# Altium PCB Weight_Dropper_Torpedo_1_0.PcbDoc
Units mm, origin at the board's own origin, x right, y up, seen from the top; angles counter-clockwise.
Board outline 51.4 x 37.8 mm, 2 copper layers (Top Layer, Bottom Layer); 26 components, 27 nets, 109 pads, 3 vias.
Unrouted connection lines stored in the file: 24.
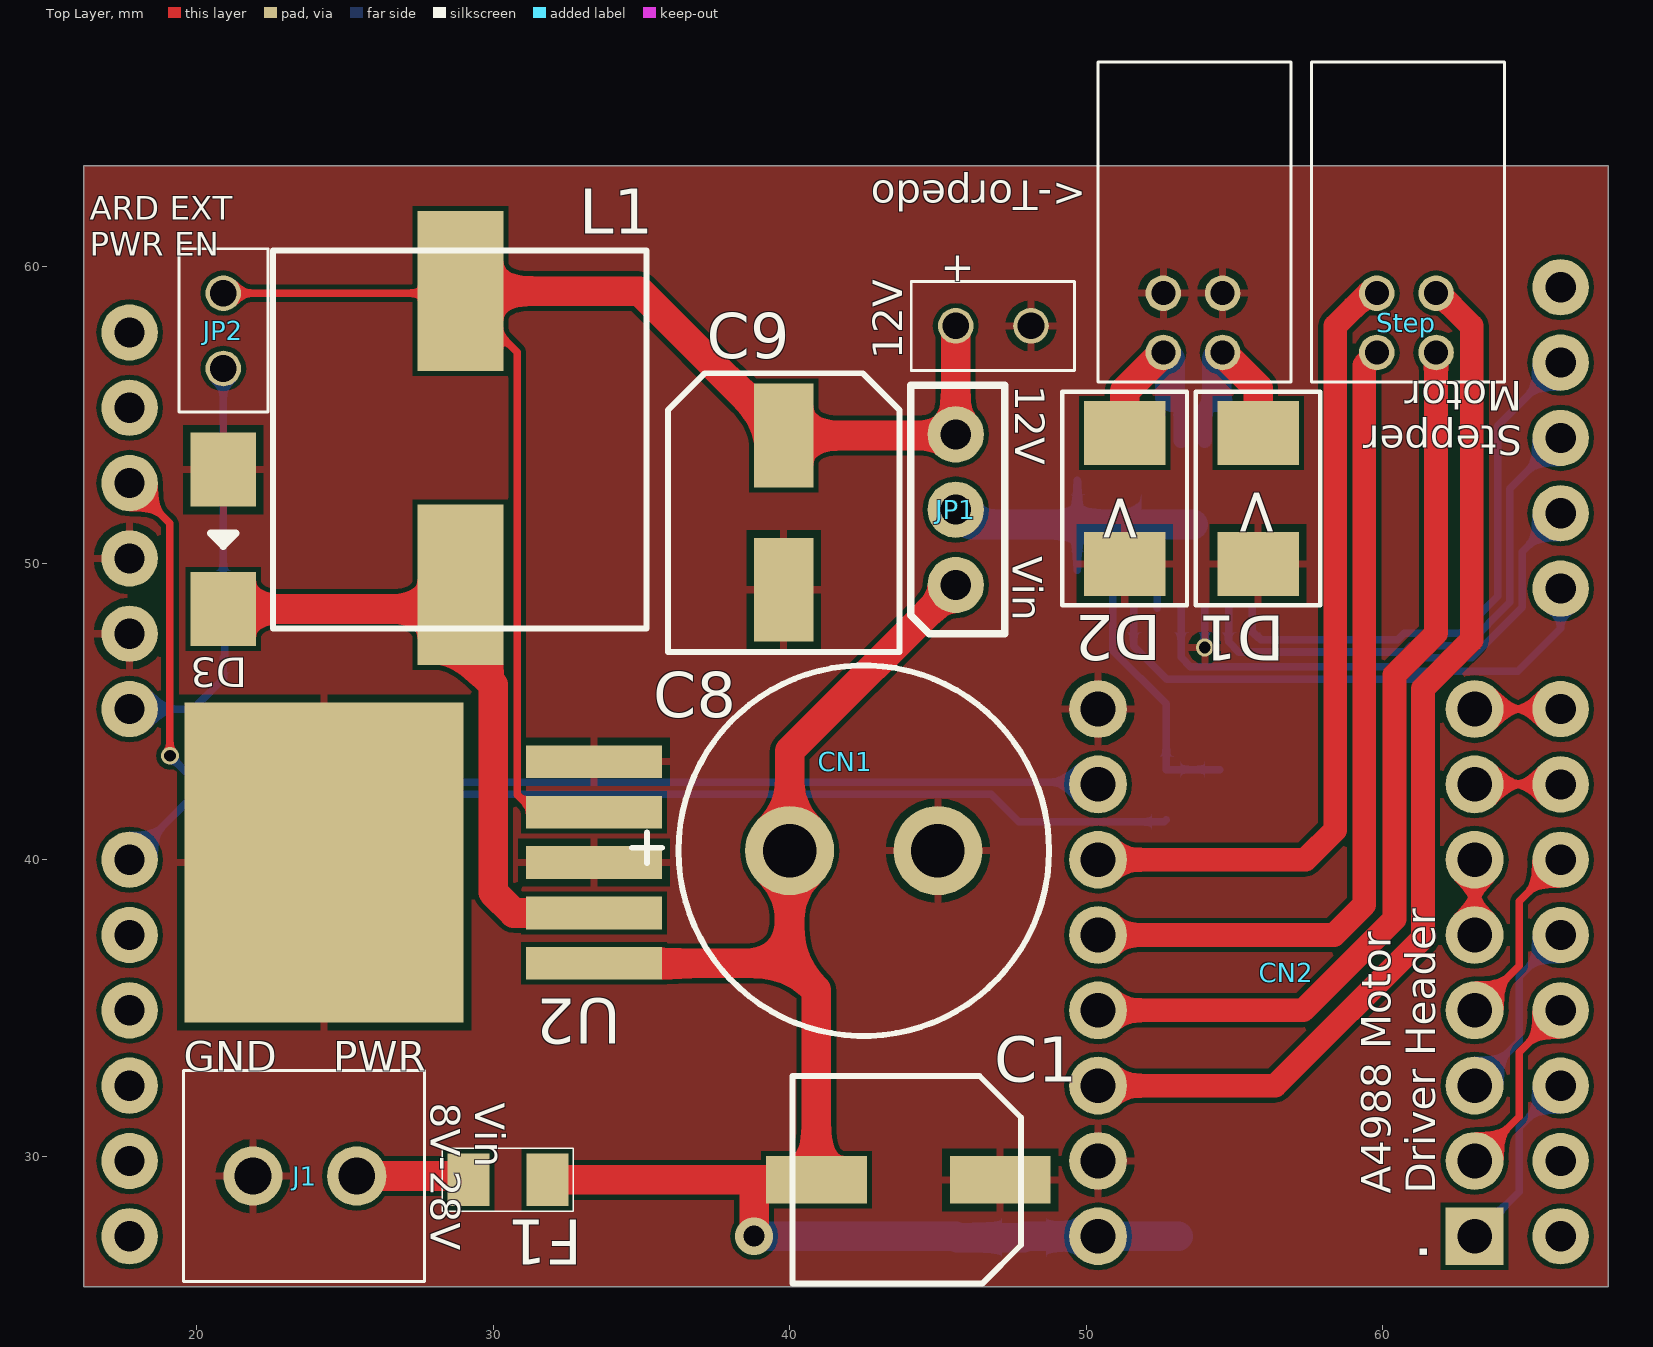
[diagram p0: Top Layer view]
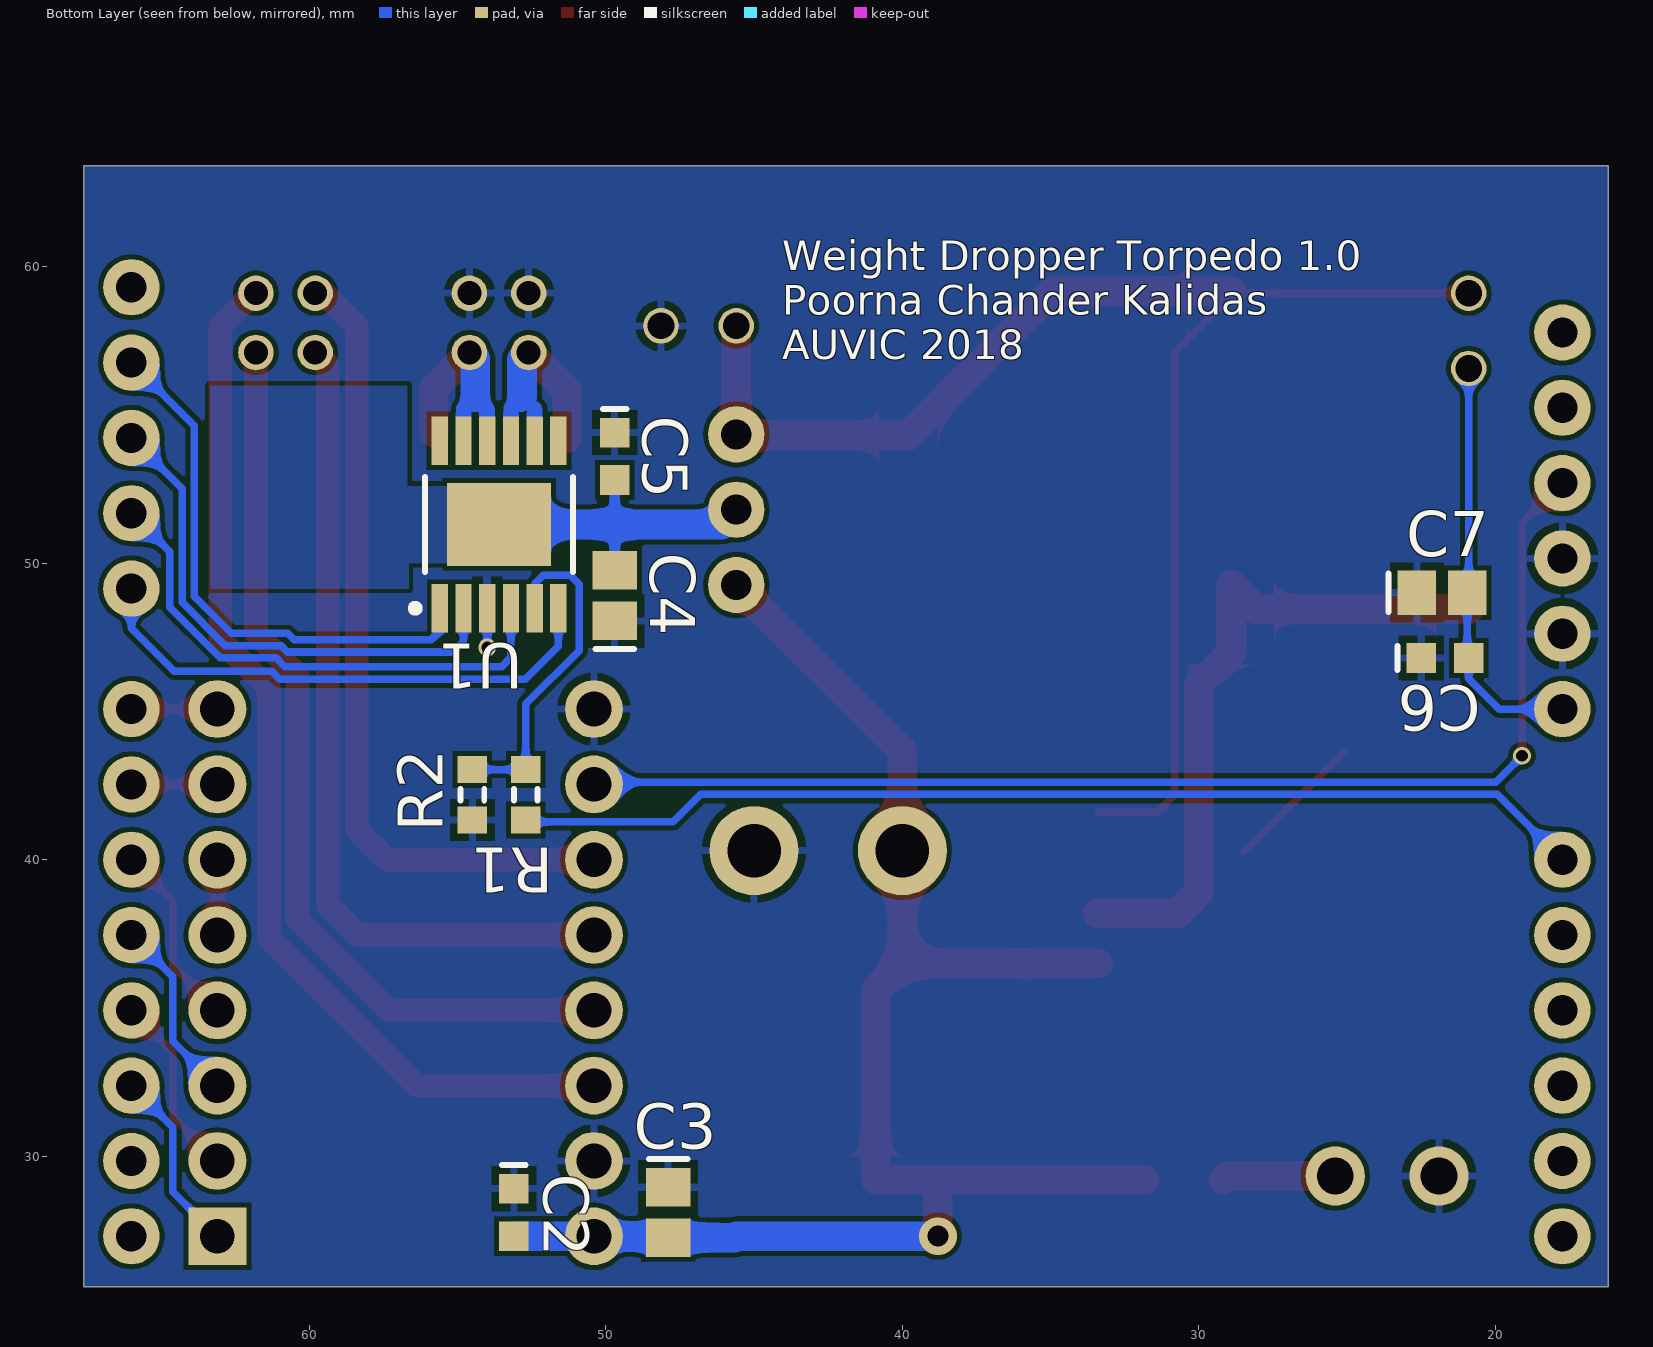
[diagram p1: Bottom Layer view, seen from below]

## Layer stack, top to bottom
Top Solder: solder mask 0.0102, Solder Resist, Dk 3.5
Top Layer: signal copper 0.0356
Dielectric 1: dielectric 0.32, FR-4, Dk 4.8
Bottom Layer: signal copper 0.0356
Bottom Solder: solder mask 0.0102, Solder Resist, Dk 3.5

## Board outline
16.2,25.6 67.6,25.6 67.6,63.4 16.2,63.4

## Design rules (kind name [scope] priority, off if disabled: settings)
Clearance [All] p1: gap=0.16 ignorepadtopadclearanceinfootprint=FALSE
HoleSize "Signal Via" [All] p1: absolutevalues=TRUE maxlimit=2.54 minlimit=0.3 maxpercent=80.000 minpercent=20.000
HoleSize "Power Via" [All] p2: absolutevalues=TRUE maxlimit=1.3 minlimit=1.2 maxpercent=80.000 minpercent=20.000
PolygonConnect PolygonConnect_1 [All vs IsNamedPolygon('HSD-Heat_Spreader')] p1: connectstyle=Direct reliefconductorwidth=0.254 reliefentries=4 polygonreliefangle="90 Angle" airgapwidth=0.254
PolygonConnect [All] p2: connectstyle=Relief reliefconductorwidth=0.254 reliefentries=4 polygonreliefangle="90 Angle" airgapwidth=0.254
RoutingVias [All] p1: holewidth=0.711 width=1.27 viastyle="Through Hole" minholewidth=0.3 minwidth=0.4 maxholewidth=0.711 maxwidth=1.27
SolderMaskExpansion [All] p1: expansion=0.102
Width Power [InNet('No Net')] p1: maxlimit=1.5 minlimit=1 preferedwidth=1
Width Signal [InNet('No Net')] p2: maxlimit=0.254 minlimit=0.254 preferedwidth=0.254
29 further rules are at their usual default settings.

## Classes and differential pairs
component class Master: 12V <-Torpedo C1 C2 C3 C4 C5 C6 C8 C9 CN1 CN2 D1 D2 D3 F1 J1 JP1 L1 R1 R2 Step U1 U2

## Components (designator, comment, footprint, x,y, rotation, side; value= is the part's Value field where it differs from the comment)
12V "1X2 Pin Head" "2X1 Males Header" 45.6,58 r0 top (schematic designator JP3)
<-Torpedo "2x2 Shrouded RT Ang" "HEADER, MALE, Shrouded, 4POS, 2MM, RT ANG,THT" 54.6,59.1 r0 top (schematic designator CN4)
C1 "100µF" Radial_CAN_6.6mm 44,29.2 r0 top
C2 "0.1uF, 50V, 10%, X7R, 0603" "CAPC1608N(0603\")" 53.1,28.1 r270 bottom
C3 "1μF" "CAPC2012N(0805\")" 47.9,28.1 r270 bottom value=1µF
C4 "1μF" "CAPC2012N(0805\")" 49.7,48.9 r90 bottom value=1µF
C5 "0.1uF, 50V, 10%, X7R, 0603" "CAPC1608N(0603\")" 49.7,53.6 r270 bottom
C6 "0.1uF, 50V, 10%, X7R, 0603" "CAPC1608N(0603\")" 21.7,46.8 r180 bottom
C7 "1μF" "CAPC2012N(0805\")" 21.8,49 r180 bottom value=1µF
C8 "470µF" "12.5mm Dia Radial THD" 40,40.3 r0 top
C9 "150µF" "6.3mm Dia Radial SMD" 39.8,51.7 r90 top
CN1 "Header to plug into Arduino Board" "Arduino Shield Reduced Pin" 17.74,62.856 r0 top locked
CN2 "Connector for A4988 Stepper Motor Driver" "A4988 Stepper Motor Driver Header" 63.1,27.296 r180 top locked
D1 "JD 2A 600V" DO-214AA 55.8,52.18 r90 top
D2 "JD 2A 600V" DO-214AA 51.3,52.18 r90 top
D3 "TSSA5U50E3GCT-ND" DO-214AC 20.9,50.8 r270 top
F1 "2A" "1206 SMD" 30.5,29.2 r0 top
J1 "2x1 Term Block" "2X1 Terminal Blocks" 25.4,29.327 r180 top
JP1 "1x3 Male Jumper" "Header, Male, 1x3, Pitch: 0.1\" (2.54mm),THT" 45.6,51.8 r90 top
JP2 "1X2 Pin Head" "2X1 Males Header" 20.9,59.1 r270 top
L1 "47µH" "12mm SMD" 28.9,54.22 r90 top
R1 "1k" "RESC1608N(0603\")" 52.7,42.187 r90 bottom
R2 "1k" "RESC1608N(0603\")" 54.5,42.187 r90 bottom
Step "2x2 Shrouded RT Ang" "HEADER, MALE, Shrouded, 4POS, 2MM, RT ANG,THT" 61.8,59.1 r0 top (schematic designator CN3)
U1 "2CH High Side Drive 8A 28V 12-Pin" PowerSSO-12 53.6,51.3 r90 bottom
U2 "12V 3A Buck DC-DC" 5-DDPAK 33.4,36.5 r90 top

## Footprints (in the part's own frame and the unit in brackets; to place one, negate y for a bottom-side part, rotate by r counter-clockwise, add the part's x,y. Pads: shape width x height; smd on the part's side, far side on the other; paste and mask are expansions set on the pad)
"2X1 Males Header" [mm]
  round 1.2 hole 0.9: 1(0,0) 2(2.54,0)
  silkscreen extent -1.5,-1.5 4,1.5, body extent -1.27,-1.24 3.81,1.25, height 8.54
"2X1 Terminal Blocks" [mm] "ED2740-ND"
  round 2 hole 1.24: 1(0,0) 2(3.5,0)
  silkscreen extent -2.29,-3.56 5.84,3.56, body extent -2.22,-3.44 5.78,3.56, height 8.4
5-DDPAK [mm]
  rect 1.1x4.6 smd: 1(0,0) 2(1.7,0) 3(3.4,0) 4(5.1,0) 5(6.8,0)
  rect 10.8x9.4 smd: 6(3.4,9.1)
  body extent -1.81,-1.48 8.6,12.88, height 4.65
"6.3mm Dia Radial SMD" [mm]
  rect 3.5x2 smd: 1(2.6,0) 2(-2.6,0)
  silkscreen extent -4.7,-3.9 4.7,3.9, body extent -3.9,-3.4 3.9,3.4, height 8.05
"12.5mm Dia Radial THD" [mm]
  round 3 hole 1.8: 1(0,0) 2(5,0)
  silkscreen extent -5.32,-6.25 8.75,6.25, body extent -3.75,-6.25 8.76,6.25, height 22.02
"12mm SMD" [mm]
  rect 5.4x2.9 smd: 1(-4.95,0) 2(4.95,0)
  silkscreen extent -6.43,-6.27 6.32,6.32, body extent -6,-6 6,6, height 10.13
"1206 SMD" [mm]
  rect 1.42x1.78 smd: 1(-1.33,0) 2(1.33,0)
  silkscreen extent -2.22,-1.07 2.21,1.07, body extent -1.6,-0.8 1.6,0.8, height 0.6
"A4988 Stepper Motor Driver Header" [mm]
  rect 1.95x1.95 hole 1.17: 1(0,0)
  round 1.95 hole 1.17: 2(0,-2.54) 3(0,-5.08) 4(0,-7.62) 5(0,-10.16) 6(0,-12.7) 7(0,-15.24) 8(0,-17.78) 9(12.7,-17.78) 10(12.7,-15.24) 11(12.7,-12.7) 12(12.7,-10.16) 13(12.7,-7.62) 14(12.7,-5.08) 15(12.7,-2.54) 16(12.7,0)
  body extent -1.27,-19.3 13.97,1.52, height 8.5
"Arduino Shield Reduced Pin" [mm]
  round 1.9 hole 1.02: 3(0,-5.08) 4(0,-7.62) 5(0,-10.16) 6(0,-12.7) 7(0,-15.24) 8(0,-17.78) 9(0,-22.86) 10(0,-25.4) 11(0,-27.94) 12(0,-30.48) 13(0,-33.02) 14(0,-35.56) 15(48.26,-35.56) 16(48.26,-33.02) 17(48.26,-30.48) 18(48.26,-27.94) 19(48.26,-25.4) 20(48.26,-22.86) 21(48.26,-20.32) 22(48.26,-17.78) 23(48.26,-13.716) 24(48.26,-11.176) 25(48.26,-8.636) 26(48.26,-6.096) 27(48.26,-3.556)
  body extent -2.54,-40.64 50.8,34.29, height 8.51
"CAPC1608N(0603\")" [mm] "Chip Capacitor, Body 1.6x0.8mm (0603\"), IPC Medium Density"
  rect 1x1 smd: 1(-0.8,0) 2(0.8,0)
  silkscreen extent -1.6,-0.4 -1.6,0.4, body extent -0.8,-0.4 0.8,0.4, height 0.9
"CAPC2012N(0805\")" [mm] "Chip Capacitor, Body 2.0x1.3mm (0805\"), IPC Medium Density"
  rect 1.3x1.5 smd: 1(-0.85,0) 2(0.85,0)
  silkscreen extent -1.8,-0.65 -1.8,0.65, body extent -1,-0.62 1,0.63, height 1
DO-214AA [mil]
  rect 85x108 smd: A(-87,0) K(87,0)
  silkscreen extent -142,-83 142,83, body extent -103,-73 106,73, height 87
DO-214AC [mm]
  rect 2.5x2.2 smd: 1(-2.35,0) 2(2.35,0)
  silkscreen extent -0.2,-0.43 0.23,0.43, body extent -2.74,-1.4 2.74,1.4, height 2.26
"Header, Male, 1x3, Pitch: 0.1\" (2.54mm),THT" [mm]
  round 1.9 hole 1.016: 1(-2.54,0) 2(0,0) 3(2.54,0)
  silkscreen extent -4.19,-1.65 4.19,1.52, body extent -3.81,-1.27 3.81,1.27, height 9.5
"HEADER, MALE, Shrouded, 4POS, 2MM, RT ANG,THT" [mm]
  round 1.2 hole 0.81: 1(-2,0) 2(0,0) 3(0,-2) 4(-2,-2)
  silkscreen extent -4.2,-3 2.3,7.8, body extent -3.95,-2.27 2.05,7.72, height 5.16
PowerSSO-12 [mm] "SOP, 12-Leads, Body 4.90x3.90mm, Pitch 0.80mm, Thermal Pad 3.50x2.80mm, IPC Low Density"
  rect 1.65x0.55 smd: 1(-2.825,2) 2(-2.825,1.2) 3(-2.825,0.4) 4(-2.825,-0.4) 5(-2.825,-1.2) 6(-2.825,-2) 7(2.825,-2) 8(2.825,-1.2) 9(2.825,-0.4) 10(2.825,0.4) 11(2.825,1.2) 12(2.825,2)
  rect 2.8x3.5 smd: 13(0,0)
  silkscreen extent -2.95,-2.5 1.6,2.95, body extent -3,-2.5 3,2.5, height 1.7
Radial_CAN_6.6mm [mm] "Radial Electrolytic Can, 8.3mm Radius, 10.5mm Height"
  rect 3.4x1.6 smd: 1(-3.1,0) 2(3.1,0)
  silkscreen extent -3.9,-3.5 3.8,3.5, body extent -3.8,-3.3 3.8,3.3, height 8
"RESC1608N(0603\")" [mm] "Chip Resistor, Body 1.6x0.8mm (0603\"), IPC Medium Density"
  rect 0.9x1 smd: 1(-0.85,0) 2(0.85,0)
  silkscreen extent -0.2,-0.4 0.2,0.4, body extent -0.77,-0.42 0.78,0.43, height 0.44

## Part data
12V JP2: library part "1x2 Male Header", Supplier 1 Part Number=952-3073-ND, Made By="Andy Bates", Supplier 1=Digikey
<-Torpedo Step: library part "Header, Male, 2x2 Conn, Shrouded, THT, 2MM RT ANG TIN", "Header, Male, 2x2, Pitch: 0.1\" (2.54mm), THT", Supplier Part Number 1=H10244-ND, Created By="Poorna Chander Kalidas", Date Published=2018-06-12, Publisher=AUVic, Supplier 1=Digi-Key, Supplier 2=Digi-Key, Supplier Part Number 2=H2019-ND
C1: library part "100uF, 35V, 20%, Alum, SMD", "100µF 35V Aluminum Electrolytic Capacitors Radial, Can - SMD 1000 Hrs @ 105°C", Supplier Part Number 1=493-2203-2-ND, Created By="Poorna Chander Kalidas", Date Created=2018-06-01, PackageDescription=Can, Supplier 1=Digi-Key
C2 C5 C6: "0.1µF ±20% Ceramic Capacitor X7R 0603 (1608 Metric)", Capacitance=0.1µF, Operating Temperature="-55°C ~ 125°C", Package / Case="0603 (1608 Metric)", Supplier Part Number 1=445-5098-1-ND, ComponentLink1Description=Digi-Key, ComponentLink1URL=https://www.digikey.ca/product-detail/en/tdk-corporation/C1608X7R1H104M080AA/445-5098-1-ND/2093713, Created By="Poorna Chander Kalidas", Mounting Type="Surface Mount, MLCC", Supplier 1=Digi-Key
C3 C4 C7: library part "1uF 50V 0805 SMD, Ceramic", "1µF ±10% Ceramic Capacitor X5R 0805 (2012 Metric)", Supplier Part Number 1=490-10743-6-ND, Created By="Poorna Chander Kalidas", Date Created=2018-06-14, PackageDescription="Chip Capacitor", Supplier 1=Digi-Key
C8: library part "470uF, 50V, 20%, Alum, SMD", "470µF 50V Aluminum Electrolytic Capacitors Radial, Can 5000 Hrs @ 105°C", Supplier Part Number 1=P12400-ND, ComponentLink1Description=Digi-Key, ComponentLink1URL=https://www.digikey.ca/product-detail/en/panasonic-electronic-components/EEU-FM1H471/P12400-ND/613761, Created By="Poorna Chander Kalidas", Date Created=2018-06-13, PackageDescription=Can, Supplier 1=Digi-Key
C9: library part "150uF, 35V, 20%, Alum, SMD", "150µF 35V Aluminum Electrolytic Capacitors Radial, Can - SMD 160 mohm @ 100kHz 2000 Hrs @ 105°C", Supplier Part Number 1=PCE5017DKR-ND, Created By="Poorna Chander Kalidas", Date Created=2018-06-13, PackageDescription=Can, Supplier 1=Digi-Key
CN1: library part "Arduino Shield Header Reduced Pin", "1x6 Header  x2 / 1x8 Header / 1x5 Header / Reduced Pin Version - Does not connect to all pin on the Arduino / Pitch: 0.1\" (2.54mm), Contact Length 0.394\" (10.00mm) Through hole", Supplier Part Number 1=SAM8865-ND, Made Bates="Poorna Chander Kalidas", Supplier 1=Digi-Key, Supplier 2=Digi-Key, Supplier 3=Digi-Key, Supplier Part Number 2=SAM1206-05-ND, Supplier Part Number 3=SSW-106-03-T-S-ND
CN2: "Header, Female, 2x8, Pitch: 0.1\" (2.54mm),THT", Supplier Part Number 1=S7006-ND, Created By="Poorna Chander Kalidas", Supplier 1=Digi-Key
D1 D2: "Junction Diode 2A 600V", Supplier Part Number 1=1655-1739-1-ND, ComponentLink1Description=Digi-Key, ComponentLink1URL=https://www.digikey.ca/product-detail/en/smc-diode-solutions/S2JTR/1655-1739-1-ND/6674450, Created By="Poorna Chander Kalidas", Date Created=2018-06-07, Publisher=AUVic, Supplier 1=Digi-Key
D3: "Diode Schottky 50V 5A Surface Mount DO-214AC (SMA)", Supplier Part Number 1="TSSA5U50 E3GCT-ND", Created By="Poorna Chander Kalidas", Date Created=2018-06-01, Supplier 1=Digi-Key
F1: library part "SMD Fuse, 2A, 63V,", "SMD Fuse, 2A, 63V,", Supplier Part Number 1=507-1881-6-ND, ComponentLink1Description=Digi-Key, ComponentLink1URL=https://www.digikey.ca/product-detail/en/bel-fuse-inc/C1F-2/507-1881-1-ND/4968159, Created By="Poorna Chander Kalidas", Current=2A, Date Created=2018-06-07, Supplier 1=Digi-Key, Type=SMD
J1: library part "2x1 Terminal Block", Supplier Part Number 1=ED2740-ND, Made By="Andy Bates", Supplier 1=Digikey
JP1: Supplier Part Number=1849-1003-ND, Made By="Poorna Chander Kalidas", Supplier 1=Digi-Key
L1: library part "47µH 3.8A Inductor", "47µH Shielded Wirewound Inductor 3.8A 60 mOhm Max Nonstandard", Supplier Part Number 1=732-1246-1-ND, ComponentLink1Description=Digi-Key, ComponentLink1URL=https://www.digikey.ca/product-detail/en/wurth-electronics-inc/7447709470/732-1246-1-ND/1639307, Created By="Poorna Chander Kalidas", Created On=2018-06-13, Supplier 1=Digi-Key
R1 R2: library part "1kR, 1%, 1/10W , 0603, SMD", "1kR, 1%, 1/10W , 0603, SMD", Supplier Part Number 1=311-1.00KHRCT-ND, Created By="Andy Bates", Date Created=2017-05-10, Publisher=AUVic, Supplier 1=Digikey
U1: "2 Channel High Side Drive MOSFET controlable by logic signal 12-Pin", Supplier Part Number 1=497-15860-6-ND, ComponentLink1Description=Digi-Key, ComponentLink1URL=https://www.digikey.ca/product-detail/en/stmicroelectronics/VND7140AJ12TR/497-15860-1-ND/5322005, Created By="Poorna Chander Kalidas", Date Created=2018-06-13, Supplier 1=Digi-Key
U2: "Buck Switching Regulator IC Positive Fixed 12V 1 Output 3A TO-263-6, D²Pak (5 Leads + Tab), TO-263BA", Supplier Part Number 1=576-2130-ND, ComponentLink1Description=Digi-Key, ComponentLink1URL=https://www.digikey.ca/product-detail/en/microchip-technology/LM2576-12WU/576-2130-ND/1027675, Created By="Poorna Chander Kalidas", Supplier 1=Digi-Key

## Via types
v1: diameter 0.6, hole 0.4, Top Layer to Bottom Layer, 2 vias
v2: diameter 1.27, hole 0.711, Top Layer to Bottom Layer, 1 vias

## Nets (pads, with @x,y where several pads share a name; then routed paths per layer and width w, separated by ;. In a path a pad name is that pad's centre, name@x,y a point inside that pad or via, vN(x,y) a via of type N, cw(c..) or ccw(c..) an arc to the next point about the centre after c; other vN are vias at no path point)
5V: CN1.5 CN2.10 | length 41.5
  Top Layer w0.254: CN1.5@17.804,52.696 CN1.5 19.1,51.336 v1(19.1,43.5)
  Bottom Layer w0.254: v1(19.1,43.5) 19.986,42.614 50.322,42.614 CN2.10
12V: 12V.1 C9.1 JP1.3 JP2.1 L1.2 U2.4 | length 51
  Top Layer w0.254: JP2.1 L1.2@28.83,59.1 ; L1.2 L1.2@28.83,59.1 ; U2.4 31.4,41.6 30.813,42.187 30.813,57.117 L1.2@28.83,59.1
  Top Layer w1: L1.2 34.93,59.17 C9.1 45.56,54.3 JP1.3 12V.1
Arduino-Ext-Power: C6.2 C7.2 CN1.8 JP2.2 | length 14.1
  Bottom Layer w0.254: CN1.8 19.876,45.076 20.9,46.1 C6.2 20.95,46.85 C7.2 20.9,49.05 JP2.2
CurrentSense-ADC: CN1.9 R1.1 | length 36.3
  Bottom Layer w0.254: CN1.9 19.944,42.2 46.8,42.2 47.726,41.274 52.637,41.274 R1.1
CurrentSense-Enable: CN1.25 U1.2 | length 17.7
  Bottom Layer w0.254: U1.2 54.8,47.34 55.14,47 60.735,47 60.951,47.216 62.83,47.216 64.291,48.677 64.291,52.511 CN1.25
CurrentSense-Select: CN1.24 U1.4 | length 17.8
  Bottom Layer w0.254: U1.4 53.2,46.818 53.517,46.501 55.59,46.501 55.591,46.5 55.809,46.5 55.81,46.501 57.29,46.501 57.291,46.5 60.82,46.5 61.12,46.8 63,46.8 64.705,48.505 64.705,50.385 CN1.24
GND: 12V.2 <-Torpedo.1 <-Torpedo.2 C1.2 C2.1 C3.1 C4.1 C5.1 C6.1 C7.1 C8.2 C9.2 CN1.6 CN1.7 CN2.9 CN2.15 D1.A D2.A D3.1 J1.2 R2.1 U1.3 U2.3 U2.5 U2.6 | length 6.1
  Top Layer w0.254: U2.6@25.1,43.64 U2.6@28.5,40.24
  Bottom Layer w0.254: v1(54,47.15) U1.3
NetCN1_17: CN1.17 CN2.1 | length 7
  Top Layer w0.254: CN1.17@65.86,32.286 CN1.17@65.86,32.62
  Bottom Layer w0.254: CN2.1 64.6,28.796 64.6,30.976 CN1.17 65.876,32.376 65.86,32.36 CN1.17@65.86,32.62
NetCN1_18: CN1.18 CN2.2 | length 6.8
  Top Layer w0.254: CN2.2 64.6,31.336 64.6,33.5 66,34.9 CN1.18
  Bottom Layer w0.254: CN1.18@65.9,34.64 CN1.18@65.9,35.16
NetCN1_19: CN1.19 CN2.3 | length 6.9
  Top Layer w0.254: CN2.3@62.88,32.82 CN2.3@63.12,32.82 ; CN1.19@65.86,37.366 CN1.19@65.86,37.7
  Bottom Layer w0.254: CN2.3 64.6,33.876 64.6,36.056 CN1.19
NetCN1_20: CN1.20 CN2.4 | length 6.5
  Top Layer w0.254: CN2.4 64.6,36.416 64.6,38.6 65.996,39.996 CN1.20 ; CN1.20@65.86,39.996 CN1.20@65.86,40.24
NetCN1_21: CN1.21 CN2.7 | length 2.9
  Top Layer w0.254: CN2.7 CN1.21
NetCN1_22: CN1.22 CN2.8 | length 2.9
  Top Layer w0.254: CN2.8 CN1.22
NetCN2_5: CN2.5 CN2.6 | length 2.5
  Top Layer w0.254: CN2.5 CN2.6
NetCN2_11: CN2.11 Step.1 | length 27.3
  Top Layer w0.254: CN2.11@50.236,40.24 CN2.11@50.24,40.24
  Top Layer w0.8: CN2.11 57.396,39.996 58.4,41 58.4,58 59.5,59.1 Step.1
NetCN2_12: CN2.12 Step.4 | length 28.2
  Top Layer w0.8: CN2.12 58.356,37.456 59.375,38.475 59.375,56.675 Step.4
NetCN2_13: CN2.13 Step.3 | length 31
  Top Layer w0.8: CN2.13 57.316,34.916 60.4,38 60.4,46.23 61.8,47.63 Step.3
NetCN2_14: CN2.14 Step.2 | length 36.8
  Top Layer w0.254: CN2.14@50.236,32.62 CN2.14@50.644,32.62
  Top Layer w0.8: CN2.14@50.644,32.62 CN2.14 56.376,32.376 61.36,37.36 61.36,45.76 63,47.4 63,58 61.9,59.1 Step.2
NetD3_2: D3.2 L1.1 U2.2 | length 22.9
  Top Layer w1: D3.2 28.08,48.45 L1.1 28.9,47 30,45.9 30,38.9 30.7,38.2 U2.2
NetF1_1: F1.1 J1.1 | length 3.8
  Top Layer w1: J1.1 29.043,29.327 F1.1
NetR1_2: R1.2 R2.2 U1.5 | length 11.4
  Bottom Layer w0.254: U1.5 52.4,49.3 52.113,49.587 51.206,49.587 50.9,49.281 50.9,47.05 52.7,45.25 R1.2 R2.2
Torpedo-Control-1: CN1.26 U1.1 | length 18.5
  Bottom Layer w0.254: U1.1 55.6,47.7 55.886,47.414 60.514,47.414 60.73,47.63 62.63,47.63 63.877,48.877 63.877,54.637 CN1.26
Torpedo-Control-2: CN1.23 U1.6 | length 18.2
  Bottom Layer w0.254: U1.6 51.6,47.195 52.709,46.086 60.991,46.086 61.263,46.358 64.551,46.358 66,47.807 CN1.23
Torpedo-Output-1: <-Torpedo.3 D1.K U1.10 U1.11 | length 8.1
  Top Layer w1: <-Torpedo.3 55.8,55.9 D1.K
  Bottom Layer w0.5: U1.10 54,55.21 54.4,55.61 54.8,55.21 U1.11
  Bottom Layer w1: 54.4,55.61 54.4,56.9 <-Torpedo.3
Torpedo-Output-2: <-Torpedo.4 D2.K U1.8 U1.9 | length 7.7
  Top Layer w1: D2.K@51.3,54.21 51.3,55.8 <-Torpedo.4
  Bottom Layer w0.5: U1.8 52.4,55.21 ; 52.826,55.61 53.2,55.236 U1.9
  Bottom Layer w1: <-Torpedo.4 52.826,56.874 52.826,55.61
Torpedo-Power: C4.2 C5.2 JP1.2 U1.13 | length 11.3
  Bottom Layer w0.254: C4.2 49.7,51.3 C5.2
  Bottom Layer w1: JP1.2 46.1,51.3 49.7,51.3 U1.13
Vin: C1.1 C2.2 C3.2 C8.1 CN2.16 F1.2 JP1.1 U2.1 | length 54.7
  Top Layer w1: F1.2 38.7,29.2 ; U2.1 40,36.5 ; v2(38.8,27.3) 38.8,29.1 38.7,29.2 ; JP1.1 40,43.66 C8.1 40,36.5 ; 38.7,29.2 40.5,29.2 C1.1 40.9,35.6 40,36.5
  Bottom Layer w1: v2(38.8,27.3) 45.6,27.3 45.65,27.25 C3.2 47.946,27.296 CN2.16 50.404,27.3 C2.2
pads on no net: CN1.3 CN1.4 CN1.10 CN1.11 CN1.12 CN1.13 CN1.14 CN1.15 CN1.16 CN1.27 U1.7 U1.12

## Polygon pours and split planes (outlines as drawn)
GND on Bottom Layer "Bottom Layer-GND" (solid, pour order 10): 16.2,63.4 67.6,63.4 67.6,25.6 16.2,25.6
Torpedo-Power on Bottom Layer "HSD-Heat_Spreader" (solid, pour order 8): 53.5,52.592 56.7,52.592 56.7,55.972 63.343,55.972 63.343,49.14 56.65,49.14 56.65,50 53.5,50
GND on Top Layer "Top Layer-GND" (solid, pour order 12): 16.2,63.4 67.6,63.4 67.6,25.6 16.2,25.6

## Silkscreen, mask and mechanical layers (free items; w line width, h text height)
Top Overlay:
  text "ARD EXT / PWR EN" at 16.4,60.37 h0.8
  text "+" at 45.1,59.5 h1
  text "Stepper / Motor" at 64.7,56.135 h1 r180
  text "12V" at 47.614,56 h1 r270
  text "<" at 55.1,52.592 h1.52 r270
  text "<" at 50.491,52.393 h1.52 r270
  text "Vin" at 47.531,50.232 h1 r270
  text "GND" at 19.558,32.883 h1
  text "PWR" at 24.6,32.883 h1
  text "Vin / 8V-28V" at 27.9,31.8 h1 r270
  text "A4988 Motor / Driver Header" at 61.764,28.73 h1 r90
  text "." at 61.5,26.44 h1.52 r90
Bottom Overlay:
  text "Weight Dropper Torpedo 1.0 / Poorna Chander Kalidas / AUVIC 2018" at 44.056,56.874 h1
Bottom Solder:
  region: 56.7,52.592 56.7,55.972 63.343,55.972 63.343,49.14 56.65,49.14 56.65,50 56.14,50 56.14,52.592
  region: 56.65,52.592
Mechanical 1:
  the board outline again, w0.254